# KiCad board dilemma.kicad_pcb (continued)
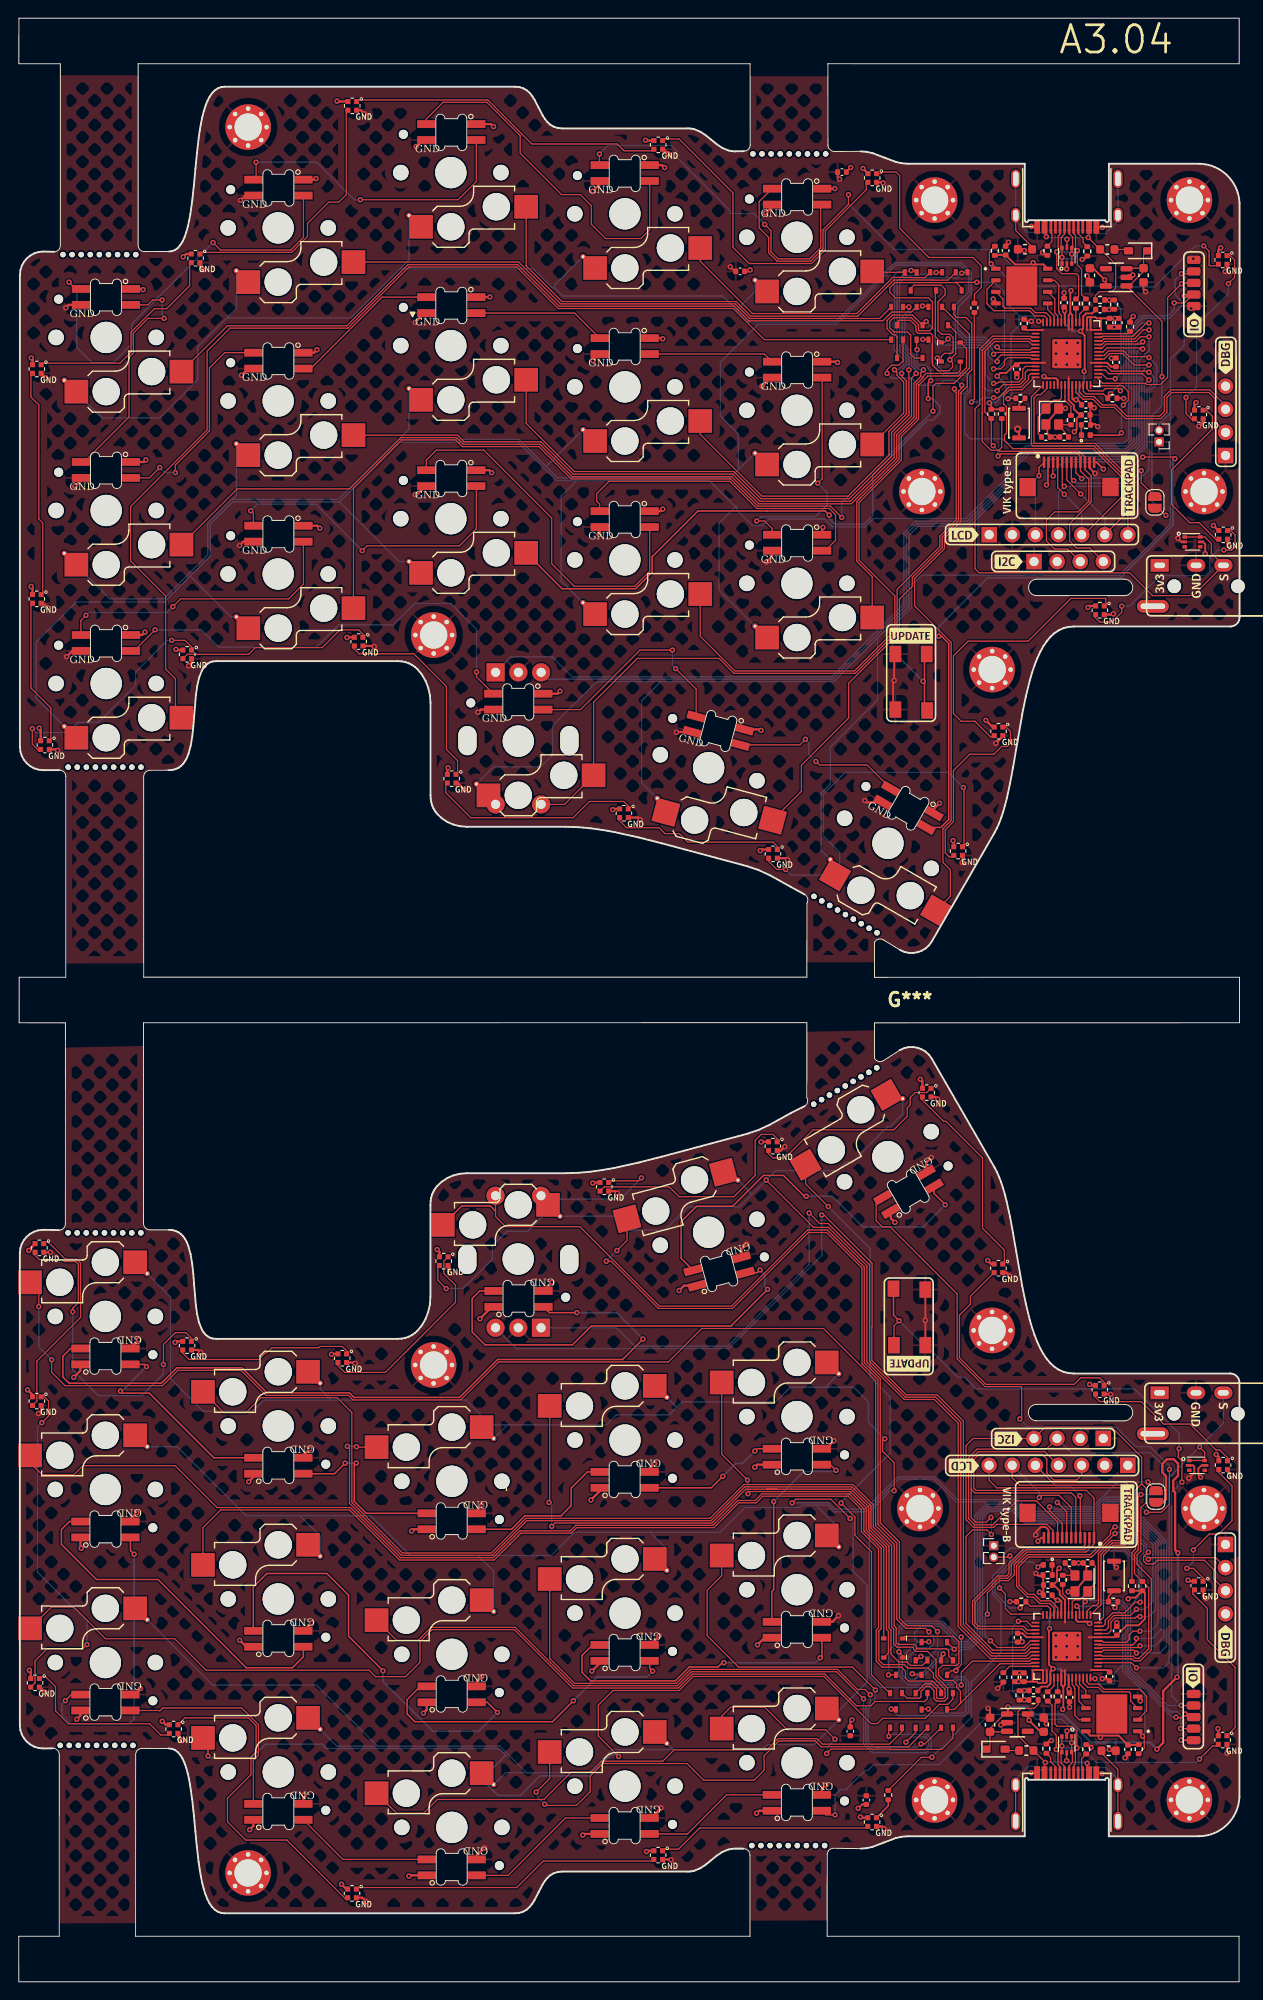
[diagram p0: board, top side]
## Routing (per net, layer and track width the routed paths; a pad name or vN(x,y) marks a point on that pad's centre or on a via; arc(x,y) is an arc through that point) (continued)
/D-_L: length 15.1
  Top w0.13: R5007.1 113.54,30.34 113.54,27.54 114,27.08 v1(114,25.51) 114.2,25.31 114.2,23.84 114.41,23.63 J5001.B7 ; J5001.A7 115.41,23.7 115.78,24.07 115.78,25.14 U5003.6 v1(115.69,26.26) U5003.1
  Bottom w0.13: v1(115.69,26.26) 115.52,26.43 114.4,26.43 114,26.03 v1(114,25.51)
/LED: length 12.8
  Top w0.13: U1.28 117.86,175.23 121.31,175.23 121.92,174.62 121.92,173.66 121.62,173.36 121.61,173.36 v1(121.38,173.12)
  Top w0.16: D1.2 120.91,169.82 v1(121.17,170.08)
  Bottom w0.16: v1(121.38,173.12) 121.17,172.91 v1(121.17,170.08)
/LED_L: length 14
  Top w0.13: U5002.28 112.46,40.37 109.01,40.37 108.4,40.98 108.4,42.61 v1(107.77,43.24) ; v1(111.98,45.53) 112.22,45.78 D5001.2
  Bottom w0.13: v1(111.98,45.53) 111.4,46.12 109.46,46.12 107.77,44.43 v1(107.77,43.24)
/MISO: length 29.9
  Top w0.13: 118.6,176.97 119.37,176.97 119.78,176.56 123.48,176.56 124.17,175.88 ; J113.2 113.11,166.79 113.11,164.54 v1(112.93,164.36)
  Bottom w0.13: v1(112.93,164.36) 113.02,164.45 113.02,166.78 113.41,167.16 122.13,167.16 123.69,168.72 123.69,175.4 124.17,175.88
  vias: v1(124.19,175.88)
/MISO_L: length 25.9
  Top w0.13: U5002.31 110.78,38.63 110.38,39.04 105.46,39.04 105.08,39.42 105.08,41.71 107.68,44.31 108.64,44.31 109.06,44.73 109.06,45.85 110.69,47.47 117.14,47.47 117.65,47.98 J5007.2
/MOSI: length 37.5
  Top w0.13: U1.35 119.24,178.57 119.75,179.08 121.4,179.08 122.04,178.44 124.09,178.44 v1(124.19,178.34) ; v1(114.88,164.19) 114.66,164.41 J113.5
  Bottom w0.13: v1(124.19,178.34) 125.03,177.5 125.03,175.45 124.26,174.68 124.26,167.53 124.18,167.45 124.18,166.06 122.31,164.19 v1(114.88,164.19) 114.25,163.56 J3.4
/MOSI_L: length 59.7
  Top w0.13: J5004.4 112.75,58.2 105.41,58.2 104.66,57.45 104.66,54.09 ; 104.66,54.09 105.08,53.67 115.67,53.67 116.15,53.19 J5007.5 ; 104.66,54.09 104.66,50.96 105.15,50.47 106.3,50.47 v1(106.83,50.99) ; v1(106.88,49.12) 106.39,49.61 104.79,49.61 104.09,48.9 104.09,39.36 107.03,36.42 110.4,36.42 110.4,36.42 110.55,36.42 111.17,37.03 U5002.35
  Bottom w0.13: v1(106.88,49.12) 106.88,50.94 v1(106.83,50.99)
/QSPI_D0: length 2.4
  Top w0.13: U2.5 113.06,183.61 113.76,182.91 U1.53
/QSPI_D0_L: length 2.4
  Top w0.13: U5002.53 116.56,32.69 117.26,31.98 U5004.5
/QSPI_D1: length 10.7
  Top w0.13: U1.55 112.96,182.65 112.7,182.92 111.64,182.92 111.07,183.48 107.16,183.48 106.39,184.25 106.39,185.84 U2.2
/QSPI_D1_L: length 10.7
  Top w0.13: U5004.2 123.93,29.76 123.93,31.35 123.16,32.12 119.25,32.12 118.68,32.68 117.62,32.68 117.36,32.95 U5002.55
/QSPI_D2: length 8.2
  Top w0.13: U2.3 108.15,184.78 108.15,183.94 108.33,183.77 111.19,183.77 111.69,183.27 112.86,183.27 113.36,182.77 U1.54
/QSPI_D2_L: length 8.2
  Top w0.13: U5002.54 116.96,32.83 117.46,32.33 118.63,32.33 119.13,31.83 121.99,31.83 122.17,31.65 122.17,30.82 U5004.3
/QSPI_D3: length 5.7
  Top w0.13: U1.51 114.56,182.97 114.33,183.2 114.33,183.36 114.27,183.42 114.27,186.34 113.79,186.83 U2.7
/QSPI_D3_L: length 5.7
  Top w0.13: U5004.7 116.53,28.77 116.05,29.25 116.05,32.18 115.99,32.24 115.99,32.4 115.76,32.63 U5002.51
/QSPI_SCLK: length 3.8
  Top w0.13: U1.52 114.16,182.92 113.84,183.24 113.84,184.78 U2.6
/QSPI_SCLK_L: length 3.8
  Top w0.13: U5002.52 116.16,32.68 116.48,32.36 116.48,30.82 U5004.6
/QSPI_~{CS}: length 24.6
  Top w0.13: 106.65,188.89 106.65,188.82 U2.1 ; 106.65,188.89 106.65,189.96 R9.1 ; 106.65,188.89 106.84,188.7 v1(106.84,188.63) ; v1(112.06,182.32) 112.56,182.32 U1.56
  Top w0.16: v1(108.7,173.81) 108.76,173.87 R3.2
  Bottom w0.13: 109.91,182.32 109.91,181.82 109.01,180.92 109.01,175.87 109.1,175.78 109.1,174.4 ; 109.91,182.32 109.91,182.94 108.77,184.09 108.77,186.92 107.06,188.63 v1(106.84,188.63) ; 109.91,182.32 109.91,182.82 109.99,182.89 111.5,182.89 112.06,182.33 v1(112.06,182.32)
  Bottom w0.16: 109.1,174.4 109.1,174.21 v1(108.7,173.81)
/QSPI_~{CS}_L: length 25.3
  Top w0.13: 123.67,26.71 123.48,26.9 v1(123.48,26.97) ; 123.67,26.71 123.67,25.64 R5011.1 ; 123.67,26.71 123.67,26.78 U5004.1 ; v1(120.45,41.09) 120.77,41.41 R5003.2 ; v1(118.26,33.28) 117.76,33.28 U5002.56
  Bottom w0.13: 121.31,34.8 121.31,34.14 123.73,31.71 123.73,27.22 v1(123.48,26.97) ; 121.31,34.8 120.41,33.9 120.41,32.78 120.33,32.7 118.82,32.7 118.26,33.26 v1(118.26,33.28) ; 121.31,34.8 121.31,34.85 ; 121.31,34.85 121.31,34.68 ; 121.31,34.85 121.31,40.23 v1(120.45,41.09)
/SCLK: length 37
  Top w0.13: 124.21,177.52 122.55,177.52 121.29,178.78 119.86,178.78 119.25,178.17 U1.34 ; v1(112.11,165.37) 112.11,166.29 J113.1
  Bottom w0.13: J3.3 111.71,164.98 v1(112.11,165.37) 112.11,166.27 113.31,167.48 122.04,167.48 123.4,168.84 123.4,176.73 124.19,177.52
  vias: v1(124.19,177.52)
/SCLK_L: length 63
  Top w0.13: v1(106.43,40.37) 106.43,42.69 107.79,44.05 108.75,44.05 109.39,44.69 109.39,45.8 110.77,47.19 117.26,47.19 118.15,48.07 J5007.1 118.15,53.12 117.31,53.95 105.2,53.95 104.95,54.2 104.95,57.33 105.53,57.92 112.45,57.92 112.97,57.4 112.97,55.85 113.72,55.1 116.25,55.1 116.78,55.64 J5004.3 ; v1(106.77,37.45) 107.51,36.71 110.44,36.71 111.16,37.43 U5002.34
  Bottom w0.13: v1(106.77,37.45) 106.18,38.03 106.18,40.12 v1(106.43,40.37)
/SWCLK: length 23.9
  Top w0.13: J105.3 131.45,171.28 131.45,173.82 130.77,174.5 126.71,174.5 126.16,173.95 126.16,172.29 125.5,171.63 121.62,171.63 120.38,172.87 118.93,172.87 118.03,173.77 116.93,173.77 116.16,174.54 U1.24
/SWCLK_L: length 34.8
  Top w0.13: J5005.3 131.51,46.57 124.3,46.57 v1(124.12,46.39) ; U5002.24 114.16,41.06 113.39,41.83 112.29,41.83 111.57,42.55 110.89,42.55 109.9,43.54 109.9,45.59 110.95,46.64 117.89,46.64 v1(120.47,49.22)
  Bottom w0.13: v1(120.47,49.22) 120.53,49.28 120.84,49.28 121.02,49.46 122.05,49.46 123.61,47.9 123.61,46.9 v1(124.12,46.39)
/SWD: length 21.2
  Top w0.13: J105.2 132.61,173.07 130.87,174.8 126.61,174.8 125.87,174.06 125.87,172.41 125.38,171.92 121.75,171.92 120.53,173.14 119.06,173.14 118.15,174.06 117.05,174.06 116.56,174.54 U1.25
/SWD_L: length 38.6
  Top w0.13: J5005.2 131.31,44.23 131.31,45.24 130.27,46.28 125.11,46.28 124.71,45.88 123.91,45.88 123.6,46.2 123.6,46.65 v1(124.12,47.17) ; v1(120.47,49.95) 120.37,49.95 119.96,49.53 119.96,49.12 117.74,46.9 110.84,46.9 109.64,45.7 109.64,43.43 110.83,42.25 111.47,42.25 112.17,41.54 113.27,41.54 113.76,41.06 U5002.25
  Bottom w0.13: v1(120.47,49.95) 120.83,49.95 121.03,49.75 122.17,49.75 123.9,48.02 123.9,47.39 v1(124.12,47.17)
/~{RESET_L}: length 125.3
  Top w0.13: v1(127.72,30.34) 127.72,30.33 J5008.4 ; SW5021.1 96.17,72.01 v1(96.74,72.58) ; v1(108.91,46.76) 108.78,46.62 J5002.2 ; v1(127.51,58.55) 127.41,58.45 127.41,57.61 127.81,57.21 v1(127.81,54.86) ; v1(110.04,41.05) 110.67,41.68 R5002.1 111.14,41.26 113.05,41.26 113.36,40.95 U5002.26
  Top w0.16: SW5021.1 96.12,73.2 v1(96.74,72.58)
  Bottom w0.13: v1(127.72,30.34) 126.68,31.37 126.68,53.73 v1(127.81,54.86) ; v1(127.72,30.34) 126.24,30.34 122.17,34.41 122.17,41.36 123.07,42.26 123.07,45.8 121.55,47.32 113.31,47.32 113.28,47.35 110.28,47.35 108.96,46.02 ; v1(127.72,30.34) 127.72,30.33 J5008.4 ; 108.96,46.02 107.28,44.34 107.28,42.67 108.89,41.05 v1(110.04,41.05) ; 108.96,46.02 108.91,46.07 v1(108.91,46.76) ; v1(96.74,72.58) 99.42,69.9 99.67,69.9 103.2,66.37 103.94,66.37 105.21,65.1 122.61,65.1 127.51,60.2 v1(127.51,58.55)
/~{RESET}: length 103
  Top w0.13: v1(128.06,185.1) 128.94,185.1 J4.4 129.01,185.27 128.09,184.34 v1(126.97,184.34) ; U1.26 116.96,174.65 117.27,174.34 119.18,174.34 R2.1 119.96,174.18 v1(119.96,174.37)
  Top w0.16: SW5022.1 99.52,145.54 99.52,142.56 ; 99.52,142.56 99.52,139.89 SW5022.1 ; 99.52,142.56 99.52,142.64 v1(99.37,142.79)
  Bottom w0.13: v1(126.97,184.34) 126.97,183.62 126.28,182.93 123.35,182.93 121.4,180.98 121.4,175.8 v1(119.96,174.37) ; 95.97,145.65 96.02,145.7 96.02,148.83 98.11,150.92 98.11,153.35 99.21,154.45 120.95,154.45 126.54,160.04 126.54,178.18 128.06,179.7 v1(128.06,185.1) 128.21,185.25 J5010.4
  Bottom w0.16: 120.03,174.3 v1(119.96,174.37) ; 126.54,172.3 125.3,171.06 J5.2 ; v1(99.37,142.79) 96.46,145.7 96.02,145.7
ENC_PIN1: length 98.3
  Top w0.13: 123.6,179.28 123.48,179.4 119.58,179.4 119.14,178.97 118.6,178.97
  Bottom w0.13: 123.6,179.28 123.16,179.28 122.83,178.95 122.83,169.08 121.8,168.05 110.88,168.05 108.99,166.16 108.99,164.75 104.34,160.1 98.69,160.1 97.54,158.94 97.54,151.16 93.18,146.8 ; 93.18,146.8 89.4,143.02 88.75,143.02 ; 93.18,146.8 92.89,146.51
  Bottom w0.16: 88.75,143.02 58.16,143.02 SW3002.B
  vias: v1(123.51,179.28)
ENC_PIN1_L: length 108.5
  Top w0.13: U5002.36 111.18,36.63 110.61,36.07 106.97,36.07 103.8,39.24 103.8,61.56 100.9,64.45 97.52,64.45 93.74,68.23 93.74,71.87 93.77,71.9 93.77,78.91 88.48,84.19 v1(88.23,84.19)
  Bottom w0.13: v1(88.23,84.19) 88.23,79.75 78,69.52 54.61,69.52 54.61,69.59 SW5020.B
ENC_PIN2: length 104.6
  Top w0.13: v1(123.51,180.07) 123.26,179.82 119.47,179.82 119.02,179.37 118.6,179.37
  Bottom w0.13: SW3002.A 54.09,145.47 58.6,145.47 60.78,143.29 89.31,143.29 92.77,146.75 92.77,146.8 97.25,151.28 97.25,159.06 98.57,160.38 104.22,160.38 108.68,164.84 108.68,166.25 110.77,168.35 121.7,168.35 122.54,169.19 122.54,179.51 123.11,180.07 v1(123.51,180.07)
ENC_PIN2_L: length 104.2
  Top w0.13: 93.48,78.71 93.48,68.12 97.41,64.19 100.75,64.19 103.51,61.44 103.51,39.12 106.86,35.78 110.73,35.78 111.18,36.23 U5002.37 ; 93.48,78.71 93.48,78.79 ; 93.48,78.71 88.93,83.26 87.99,83.26 v1(86.84,84.41)
  Bottom w0.13: SW5020.A 65.68,71.81 67.71,69.78 77.89,69.78 86.84,78.72 v1(86.84,84.41)
encoder_diode: length 94.1
  Top w0.13: D37.1 99.37,180.3 v1(99.34,180.33) ; SW3002.S1 59.97,129.28 SW3001.2 63.16,140.49 67.98,145.31 76.95,145.31 78.58,143.67 91.93,143.67 96.52,148.26 96.52,152.88 101.21,157.57 101.21,158.72 103.01,160.52 103.01,174.42 102.81,174.62 v1(102.81,174.9)
  Bottom w0.13: v1(102.81,174.9) 103.31,174.39 103.94,174.39 104.24,174.69 104.24,176.11 103.97,176.38 101.62,176.38 100.29,177.71 100.29,179.81 99.78,180.33 v1(99.34,180.33)
encoder_diode_L: length 108.7
  Top w0.13: v1(100.96,38.46) 100.32,39.1 97.59,39.1 96.77,39.92 96.77,48.28 94.67,50.38 94.67,66.21 92.91,67.97 92.91,78.49 88.84,82.55 86.68,82.55 78.32,74.19 70.38,74.19 61.66,82.91 53.5,82.91 52.39,84.02 SW5020.S1 ; D5008.1 98.71,35.3 v1(99.13,35.72)
  Top w0.16: SW5013.2 48.68,85.19 51.82,85.19 52.39,84.62
  Bottom w0.13: v1(99.13,35.72) 100.15,35.72 100.96,36.53 v1(100.96,38.46)
HAND: length 3.6
  Top w0.13: R101.1 121.86,180.97 118.6,180.97
HAND_L: length 3.8
  Top w0.13: R5012.1 108.88,34.63 U5002.41
IO14_L: length 25.7
  Top w0.13: v1(127.66,27.8) 129.09,27.8 J5008.2 ; U5002.17 116.96,41.53 v1(117.18,41.75)
  Bottom w0.13: J5008.2 127.66,27.79 v1(127.66,27.8) 127.66,27.81 127.66,29.26 127.28,29.65 126.52,29.65 121.88,34.29 121.88,41.09 121.09,41.88 117.31,41.88 v1(117.18,41.75)
IO15_L: length 24.6
  Top w0.13: v1(127.16,29.05) 127.23,28.98 127.74,28.98 v1(128.16,29.4) 128.76,29.4 J5008.3 ; v1(116.26,41.24) 116.56,40.95 U5002.18
  Bottom w0.13: v1(127.16,29.05) 126.76,29.05 121.62,34.18 121.62,40.94 120.97,41.6 119.12,41.6 118.77,41.24 v1(116.26,41.24) ; v1(128.16,29.4) 128.49,29.06 J5008.3
IO16: length 25.2
  Top w0.13: U1.27 117.36,174.93 117.61,174.68 119.14,174.68 119.4,174.94 120.81,174.94 v1(121.05,174.7) ; v1(127.75,187.54) 128.84,187.54 J4.2
  Bottom w0.13: v1(121.05,174.7) 121.68,175.33 121.68,180.86 123.47,182.64 126.4,182.64 127.75,183.99 127.75,184.56 127.06,185.25 127.06,186.85 v1(127.75,187.54) 128,187.79 J5010.2
IO18: length 22.1
  Top w0.13: J4.3 127.85,186.54 v1(127.76,186.45) 126.24,184.92 126.24,176.16 125.46,175.39 124.39,175.39 124.37,175.37 123.96,175.37 123.82,175.51 119.08,175.51 118.6,176 U1.29
  Bottom w0.13: J5010.3 127.84,186.52 v1(127.76,186.45)
M_COL1: length 28.4
  Top w0.13: 111.73,177.37 110.61,177.37 110.31,177.07 110.31,176.1 109.87,175.66 107.66,175.66 107.5,175.5 v1(107.11,175.5) ; D35.3 96.51,180.64 96.29,180.86 96.05,180.86 95.41,181.49 95.41,182.41 96,183 98.21,183 D30.3 v1(99.71,182.3)
  Bottom w0.13: v1(99.71,182.3) 100.71,181.3 100.71,180 100.99,179.71 105.69,179.71 106.22,179.19 106.22,176.39 v1(107.11,175.5)
M_COL1_L: length 62.3
  Top w0.13: v1(123.21,40.1) 122.82,40.1 122.66,39.94 120.45,39.94 120.01,39.5 120.01,38.53 119.71,38.23 U5002.11 ; D5002.3 98.3,33.7 v1(98.18,33.82) ; v1(102.79,36.51) 102,37.3 D5003.3
  Bottom w0.13: v1(123.21,40.1) 124.17,40.1 124.91,40.85 124.91,48.1 121.1,51.92 119.97,51.92 118.67,50.62 110.65,50.62 109.35,51.92 106.48,51.92 105.61,51.05 105.61,37.93 104.44,36.77 103.05,36.77 v1(102.79,36.51) 101.36,36.51 101.06,36.21 101.06,35.66 99.25,33.84 98.2,33.84 v1(98.18,33.82)
M_COL2: length 32.6
  Top w0.13: D36.3 102.21,181.9 102.95,181.16 102.95,178.74 v1(102.31,178.1) 102.61,177.8 102.61,177.3 102.21,176.9 101.01,176.9 100.41,177.5 100.41,180.8 100.21,181 98.81,181 98.59,181.22 98.59,181.81 97.97,182.43 96.74,182.43 96.51,182.2 D31.3 ; 111.73,176.97 110.86,176.97 110.6,176.7 110.6,175.98 109.99,175.37 108.18,175.37 v1(107.51,174.7)
  Bottom w0.13: v1(102.31,178.1) 102.31,178.9 102.84,179.43 105.58,179.43 105.94,179.07 105.94,175.22 106.46,174.7 v1(107.51,174.7)
M_COL2_L: length 73.7
  Top w0.13: v1(122.81,40.9) 122.14,40.23 120.33,40.23 119.72,39.62 119.72,38.9 119.46,38.63 U5002.12 ; v1(103.56,37.85) 103.58,37.82 103.58,34.84 103.18,34.44 103.08,34.44 102.99,34.35 v1(102.99,34.16) 102.46,34.16 D5005.3 ; D5006.3 95.58,33.7 v1(95.57,33.7)
  Bottom w0.13: v1(95.57,33.7) 95.57,36.31 96.43,37.16 96.43,38.64 97.38,39.59 101.5,39.59 103.24,37.85 v1(103.56,37.85) ; v1(122.81,40.9) 123.73,40.9 124.63,41.8 124.63,48.02 120.99,51.66 120.08,51.66 118.78,50.36 110.54,50.36 109.24,51.66 106.59,51.66 105.9,50.97 105.9,37.81 104.56,36.48 103.61,36.48 102.99,35.86 v1(102.99,34.16)
M_COL3: length 50.4
  Top w0.13: D32.3 103.61,185.96 102.97,186.6 ; 102.97,186.6 102.94,186.57 96.28,186.57 95.71,185.99 95.71,185.51 96.32,184.9 99.95,184.9 100.39,184.46 100.39,181.58 100.09,181.29 98.93,181.29 98.88,181.34 98.88,181.93 98.09,182.71 96.12,182.71 95.69,182.29 95.69,181.61 96.17,181.14 97.67,181.14 98.01,180.8 98.01,178.7 98.41,178.3 D37.3 ; 102.97,186.6 v1(105.28,186.6) ; U1.9 111.29,178.17 111.13,178.33 108.64,178.33 108.31,178 108.31,177.5 107.91,177.1 v1(107.11,177.1)
  Bottom w0.13: v1(107.11,177.1) 107.51,177.1 108.31,177.9 108.31,185.5 107.21,186.6 v1(105.28,186.6)
M_COL3_L: length 89.6
  Top w0.13: v1(123.21,38.5) 122.41,38.5 122.01,38.1 122.01,37.6 121.68,37.27 119.19,37.27 119.03,37.43 U5002.9 ; D5008.3 99.95,37.3 v1(100,37.35) ; D5007.3 95.92,29.9 v1(95.87,29.95)
  Bottom w0.13: v1(123.21,38.5) 124.38,38.5 125.2,39.32 125.2,48.18 121.2,52.17 119.87,52.17 118.57,50.87 110.75,50.87 109.45,52.17 106.37,52.17 105.32,51.12 105.32,38.05 104.32,37.05 103.23,37.05 101.26,39.02 99.09,39.02 98.46,38.38 98.46,37.64 98.75,37.35 ; v1(95.87,29.95) 96.6,29.22 103.96,29.22 104.37,29.63 104.37,32.95 103.86,33.46 103.02,33.46 102.45,32.89 97.86,32.89 97.1,33.65 97.1,35.69 98.75,37.35 ; 98.75,37.35 v1(100,37.35)
M_COL4: length 18.5
  Top w0.13: v1(102.1,180.39) 101.71,180 D112.1 100.71,180.64 100.71,185.62 D33.3 ; v1(107.51,177.9) 107.51,178.2 107.92,178.61 111.68,178.61 U1.8
  Bottom w0.13: v1(107.51,177.9) 107.19,177.9 106.51,178.58 106.51,179.38 105.89,180 102.49,180 v1(102.1,180.39)
M_COL4_L: length 86.2
  Top w0.13: v1(96.72,36.23) 97.15,35.8 D5009.1 ; v1(99.95,29.95) 99.26,29.95 D5010.3 ; v1(122.81,37.7) 122.81,37.4 122.4,36.99 118.64,36.99 U5002.8
  Bottom w0.13: v1(99.95,29.95) 100.39,29.51 103.84,29.51 104.08,29.75 104.08,32.83 103.74,33.17 103.14,33.17 102.57,32.61 97.74,32.61 96.72,33.63 v1(96.72,36.23) 96.72,38.52 97.5,39.3 101.38,39.3 103.35,37.34 104.21,37.34 105.04,38.17 105.04,51.2 106.27,52.43 109.56,52.43 110.86,51.13 118.46,51.13 119.76,52.43 121.31,52.43 125.54,48.2 125.54,38.66 124.58,37.7 v1(122.81,37.7)
M_COL5: length 66.1
  Top w0.13: 124.2,182.14 123.89,182.14 122.44,180.68 119.11,180.68 119,180.57 U1.40 ; 101.07,178.15 v1(100.93,178.29) 100.96,178.29 D115.1 101.36,178.45 101.71,178.8 102.51,178.8 102.67,178.96 102.67,180.54 102.31,180.9 101.41,180.9 101.01,181.3 101.01,184.46 101.8,185.25 101.8,185.84 101.36,186.28 98.35,186.28 98.01,185.94 D34.3
  Bottom w0.13: v1(100.93,178.29) 100.93,177.48 101.74,176.67 104.09,176.67 104.52,176.23 104.52,174.57 103.94,173.98 103.94,170.01 104.53,169.42 108.09,169.42 108.59,168.92 121.46,168.92 121.97,169.43 121.97,180.74 123.36,182.14 124.2,182.14
  vias: v1(124.19,182.14)
M_COL5_L: length 28.5
  Top w0.13: D5011.1 97.38,37.93 102.66,37.93 103.3,37.29 103.3,34.96 103.08,34.74 101.5,34.74 101.07,34.32 101.07,33.66 101.65,33.09 102.69,33.09 103.07,32.71 103.07,32.32 103.48,31.91 103.48,30.59 ; 103.48,30.59 107.81,34.92 111.2,34.92 111.31,35.03 U5002.40 ; 103.48,30.59 102.79,29.9 D5012.3
M_ROW1: length 155.4
  Top w0.13: U1.38 119.01,179.77 119.35,180.11 122.72,180.11 123.23,180.62 124.2,180.62
  Bottom w0.13: 70.53,142.75 68.44,140.66 68.44,131.66 SW118.1 ; 70.53,142.75 89.53,142.75 94.37,147.59 ; 70.53,142.75 63.48,142.75 58.65,137.92 58.65,134.7 57.35,133.4 52.17,133.4 SW3001.1 ; 94.37,147.59 94.37,140.76 89.17,135.57 89.17,131.52 88.16,130.5 88.16,124.25 SW119.1 ; 94.37,147.59 97.82,151.04 97.82,158.83 98.81,159.81 104.46,159.81 109.28,164.63 109.28,166.04 111,167.76 121.92,167.76 123.12,168.96 123.12,178.02 124.2,179.1 124.2,180.62
  vias: v1(124.19,180.62)
M_ROW1_L: length 118.3
  Top w0.13: U5002.38 111.3,35.83 110.96,35.49 106.73,35.49 103.23,39 103.23,61.32 100.61,63.94 97.3,63.94 93.19,68.05 93.19,78.61 88.96,82.84 87.32,82.84 v1(82.13,88.03)
  Bottom w0.13: SW5005.1 80.43,86.62 80.43,86.33 ; SW5009.1 97.13,95.29 95.74,93.9 95.48,93.9 91.55,89.97 90.87,89.97 89.97,89.07 83.17,89.07 v1(82.13,88.03) 80.43,86.33 ; 80.43,86.33 79.19,85.09 73.54,85.09 70.99,82.54 66.86,82.54 65.34,84.06 SW5013.1
M_ROW2: length 152.9
  Top w0.13: 111.73,179.37 111.31,179.37 111.13,179.19 107.82,179.19 v1(107.51,179.5)
  Bottom w0.13: 22.87,182.7 23.91,183.74 SW104.1 ; 22.87,182.7 36.52,182.7 41.92,188.1 ; 22.87,182.7 19.67,179.5 19.67,175.9 15.49,171.73 9.13,171.73 SW101.1 ; 41.92,188.1 56.52,188.1 58.62,186 58.87,186 ; 41.92,188.1 42.88,189.06 SW107.1 ; 58.87,186 59.77,185.1 77.37,185.1 78.89,183.58 ; 58.87,186 58.87,186.29 SW112.1 ; 78.89,183.58 80.24,182.23 89.72,182.23 96.25,188.75 103.6,188.75 104.66,187.69 104.66,185.32 103.19,183.86 103.19,181.41 104.04,180.57 106.12,180.57 107.2,179.5 v1(107.51,179.5) ; 78.89,183.58 80.91,185.59 SW115.1
M_ROW2_L: length 197
  Top w0.13: U5002.6 119.01,36.23 119.19,36.41 122.5,36.41 v1(122.81,36.1) ; v1(91.35,50.87) 89.23,52.99 85.4,52.99 v1(84.98,52.57)
  Bottom w0.13: 57.15,22.97 53.51,22.97 SW5010.1 ; 57.15,22.97 55.78,22.97 52.87,25.88 39.4,25.88 ; 57.15,22.97 62.71,22.97 65.23,25.49 71.95,25.49 ; SW5014.1 71.9,25.49 71.95,25.49 ; SW5006.1 34.96,25.88 39.4,25.88 ; 39.4,25.88 32.7,32.58 21.29,32.58 SW5002.1 ; v1(84.98,52.57) 85,52.6 88.96,52.6 89.66,51.89 93.02,51.89 96.56,55.44 100.64,55.44 103.14,52.95 109.77,52.95 111.07,51.65 118.25,51.65 119.55,52.95 121.52,52.95 126.11,48.36 126.11,36.85 125.36,36.1 v1(122.81,36.1) ; 71.95,25.49 81.73,25.49 82.28,26.04 87.4,26.04 SW5017.1 90.12,29.8 93.21,32.89 93.21,43.53 91.69,45.05 91.69,50.53 v1(91.35,50.87)
M_ROW3: length 170.1
  Top w0.13: v1(107.11,178.7) 107.31,178.9 111.26,178.9 111.33,178.97 111.73,178.97
  Bottom w0.13: 57.92,166.4 57.98,166.4 SW113.1 ; 57.92,166.4 54.97,169.35 41.74,169.35 ; 57.92,166.4 59.19,165.13 78.18,165.13 79.06,166.01 ; SW116.1 79.06,166.01 ; 79.06,166.01 79.06,169.95 77.1,171.91 77.1,177.83 81.24,181.97 89.83,181.97 96.33,188.47 103.52,188.47 104.4,187.58 104.4,185.6 102.91,184.11 102.91,181.29 103.92,180.29 106.01,180.29 107.01,179.28 107.01,178.8 v1(107.11,178.7) ; SW108.1 42.88,170.49 41.74,169.35 ; 23.47,162.78 35.12,162.78 41.69,169.35 41.74,169.35 ; 23.47,162.78 23.91,163.21 SW105.1 ; 23.47,162.78 23.39,162.78 20.77,160.15 20.77,156.68 15.94,151.85 10,151.85 SW102.1
M_ROW3_L: length 165.8
  Top w0.13: U5002.7 118.99,36.63 119.06,36.7 123.01,36.7 v1(123.21,36.9)
  Bottom w0.13: SW5011.1 52.19,45.06 50.45,46.8 ; 87.59,52.34 90.12,49.81 SW5018.1 ; 87.59,52.34 88.85,52.34 89.58,51.61 93.1,51.61 93.97,52.48 ; 87.59,52.34 86.15,52.34 85.89,52.08 79.8,52.08 77.06,49.34 69.39,49.34 ; 30.88,51.18 38.65,51.18 43.03,46.8 50.45,46.8 ; 30.88,51.18 24.98,51.18 17.41,58.75 SW5003.1 ; 30.88,51.18 33.12,48.94 SW5007.1 ; 69.39,49.34 71.22,47.51 SW5015.1 ; 69.39,49.34 61.06,49.34 58.52,46.8 50.45,46.8 ; 93.83,52.34 93.97,52.48 ; 93.97,52.48 96.67,55.18 100.54,55.18 103.03,52.69 109.67,52.69 110.97,51.39 118.35,51.39 119.65,52.69 121.42,52.69 125.82,48.28 125.82,37.87 124.86,36.9 v1(123.21,36.9)
M_ROW4: length 219.1
  Top w0.13: 124.19,181.41 123.62,181.41 122.6,180.39 119.23,180.39 119.01,180.17 U1.39
  Bottom w0.13: SW109.1 41.78,155.95 35.24,162.49 ; 18.85,154.35 21.06,156.56 21.06,160.03 23.51,162.49 35.24,162.49 ; 18.85,154.35 23.32,149.87 SW106.1 ; 18.85,154.35 16,151.5 6.32,151.5 1.92,147.1 1.92,140.93 SW103.1 ; 61.29,164.84 75.88,164.84 78.75,161.96 78.89,161.96 ; 61.29,164.84 59.08,164.84 54.85,169.06 41.81,169.06 35.24,162.49 ; 61.29,164.84 59.59,163.14 59.59,153.83 SW114.1 ; 78.89,161.96 78.89,161.61 80.6,159.9 81.69,159.9 82.4,160.61 88.55,160.61 89.4,159.76 93.01,159.76 93.92,160.67 104.1,160.67 108.39,164.96 108.39,166.37 110.66,168.63 121.58,168.63 122.25,169.31 122.25,180.62 123.04,181.41 124.19,181.41 ; 78.89,161.96 78.76,161.96 76.94,160.15 76.94,152.81 SW117.1
  vias: v1(124.2,181.37)
M_ROW4_L: length 156.7
  Top w0.13: U5002.39 111.3,35.43 111.08,35.21 104.78,35.21 103.57,34 v1(103.57,32.59) ; v1(96.19,53.92) 96.19,57 95.13,58.06 95.1,58.06 94.92,58.24 94.92,59.4 v1(95.16,59.63)
  Bottom w0.13: 88.64,65.28 84.79,65.28 83.18,63.67 72.89,63.67 72.34,63.12 ; 88.64,65.28 91.76,65.28 93.35,63.69 93.35,61.44 v1(95.16,59.63) ; 88.64,65.28 SW5019.1 ; 53.77,61.14 53.68,61.14 SW5012.1 ; 53.77,61.14 51.87,61.14 49.14,63.87 34.34,63.87 ; 53.77,61.14 64.54,61.14 65.65,62.25 71.47,62.25 72.34,63.12 ; v1(96.19,53.92) 95.77,53.92 93.47,51.61 93.47,33.56 94.71,32.32 103.3,32.32 v1(103.57,32.59) ; 72.34,63.12 72.27,63.12 SW5016.1 ; 34.34,63.87 33.12,65.09 SW5008.1 ; 34.34,63.87 26.93,63.87 25.72,62.66 20.25,62.66 16.68,66.23 16.68,75.19 SW5004.1
NCS: length 28
  Top w0.13: v1(113.67,165.34) 113.62,165.39 113.62,166.8 J113.3 ; 118.6,177.37 119.54,177.37 120.06,176.85 124.06,176.85 124.18,176.73
  Bottom w0.13: 124.18,176.73 124.74,176.17 124.74,175.57 123.98,174.8 123.98,168.64 122.21,166.88 114.73,166.88 113.62,165.76 113.62,165.39 v1(113.67,165.34)
  vias: v1(124.19,176.73)
NCS_L: length 26.2
  Top w0.13: U5002.32 110.78,38.23 110.26,38.75 105.34,38.75 104.8,39.3 104.8,41.78 107.58,44.56 108.53,44.56 108.81,44.84 108.81,45.95 110.61,47.76 116.93,47.76 117.15,47.98 J5007.3
QP_RST: length 25.5
  Top w0.13: U1.16 112.96,174.93 112.3,174.27 111.91,174.27 111.56,173.92 111.56,168.91 118.29,168.91 121.87,165.33 J3.7
QP_RST_L: length 33.8
  Top w0.13: J5004.7 106.62,55.06 107.45,54.24 121.42,54.24 121.86,53.79 121.86,49.01 121.3,48.45 120.06,48.45 118.63,47.02 118.63,41.55 118.41,41.33 118.02,41.33 117.36,40.67 U5002.16
RGB: length 71
  Top w0.13: v1(130.21,190.6) 130.8,190.01 130.8,188.5 130.89,188.41 131.64,188.41 ; D5031.3 81.36,195.46 81.36,192.57 82.4,191.53 82.4,189.84 83.32,188.92 87,188.92 88.37,190.29 88.37,192.37 91.17,195.16 v1(91.17,196.22)
  Bottom w0.13: v1(91.17,196.22) 91.17,195.24 96.21,190.2 107.41,190.2 111.41,186.2 119.56,186.2 119.66,186.1 124.79,186.1 129.29,190.6 v1(130.21,190.6)
RGB_L: length 53
  Top w0.13: 130.43,25.14 131.18,25.89 131.63,25.89 ; 130.43,25.14 130.51,25.14 ; 130.43,25.14 v1(129.74,24.45) ; D5049.3 88.71,18.32 v1(89.7,18.32)
  Bottom w0.13: v1(129.74,24.45) 129.38,24.09 118.41,24.09 116.75,25.75 116.75,26.71 114.64,28.82 111.76,28.82 111.23,29.35 106.64,29.35 101.14,23.85 93.94,23.85 93.29,23.2 93,23.2 90.9,21.09 90.27,21.09 89.7,20.52 v1(89.7,18.32)
SCL: length 45.3
  Top w0.13: U1.5 111.31,179.77 110.97,180.11 107.23,180.11 106.16,179.03 106.16,172.35 106.86,171.65 R104.2 106.86,168.89 v1(107.08,168.67) ; v1(107.6,167.52) 107.84,167.76 116.38,167.76 116.66,167.49 J113.9 116.66,165.89 117.58,164.97 117.58,162.58 116.4,161.4 113.82,161.4 112.92,160.49 112.92,158.2 113.8,157.32 115.26,157.32 O101.3
  Bottom w0.13: v1(107.6,167.52) 107.6,168.15 v1(107.08,168.67)
SCL_L: length 73.2
  Top w0.13: v1(123.3,53.5) 123.01,53.21 123.01,47.41 122.6,47 122.6,44.82 R5014.2 123.46,43.95 124.16,43.25 124.16,36.57 123.11,35.52 122.68,35.52 122.45,35.75 119.09,35.75 119.01,35.83 U5002.5 ; O5001.3 112.92,58.49 105.3,58.49 104.37,57.56 104.37,50.84 105.03,50.18 107.03,50.18 109.66,52.81 111.81,52.81 114.15,50.47 J5007.9
  Bottom w0.13: v1(123.3,53.5) 124.84,53.5 125.82,54.48 125.82,56.62 124.34,58.1 115.65,58.1 O5001.3
SDA: length 47.2
  Top w0.13: 107.69,168.16 107.8,168.05 116.5,168.05 117.16,167.4 J113.10 117.16,166.03 117.84,165.35 117.84,162.47 115.47,160.1 115.47,158.18 116.22,157.43 117.69,157.43 O101.4 ; 107.69,168.16 106.82,168.16 105.86,169.13 105.86,172.22 105.87,172.23 105.87,179.15 107.12,180.4 109.03,180.4 109.04,180.39 111.09,180.39 111.32,180.17 U1.4 ; 107.69,168.16 108.01,168.48 R103.1